# Altium PCB UltraZohm_ADC.PcbDoc (part 3 of 4)
Units mil, origin at the board's own origin, x right, y up, seen from the top; angles counter-clockwise.
Board outline 6141.69 x 3937.01 mil, 4 copper layers (Top Layer, GND, VCC, Bottom Layer), stack 30.634 mil thick; 408 components, 185 nets, 1136 pads, 511 vias.
Unrouted connection lines stored in the file: 7.
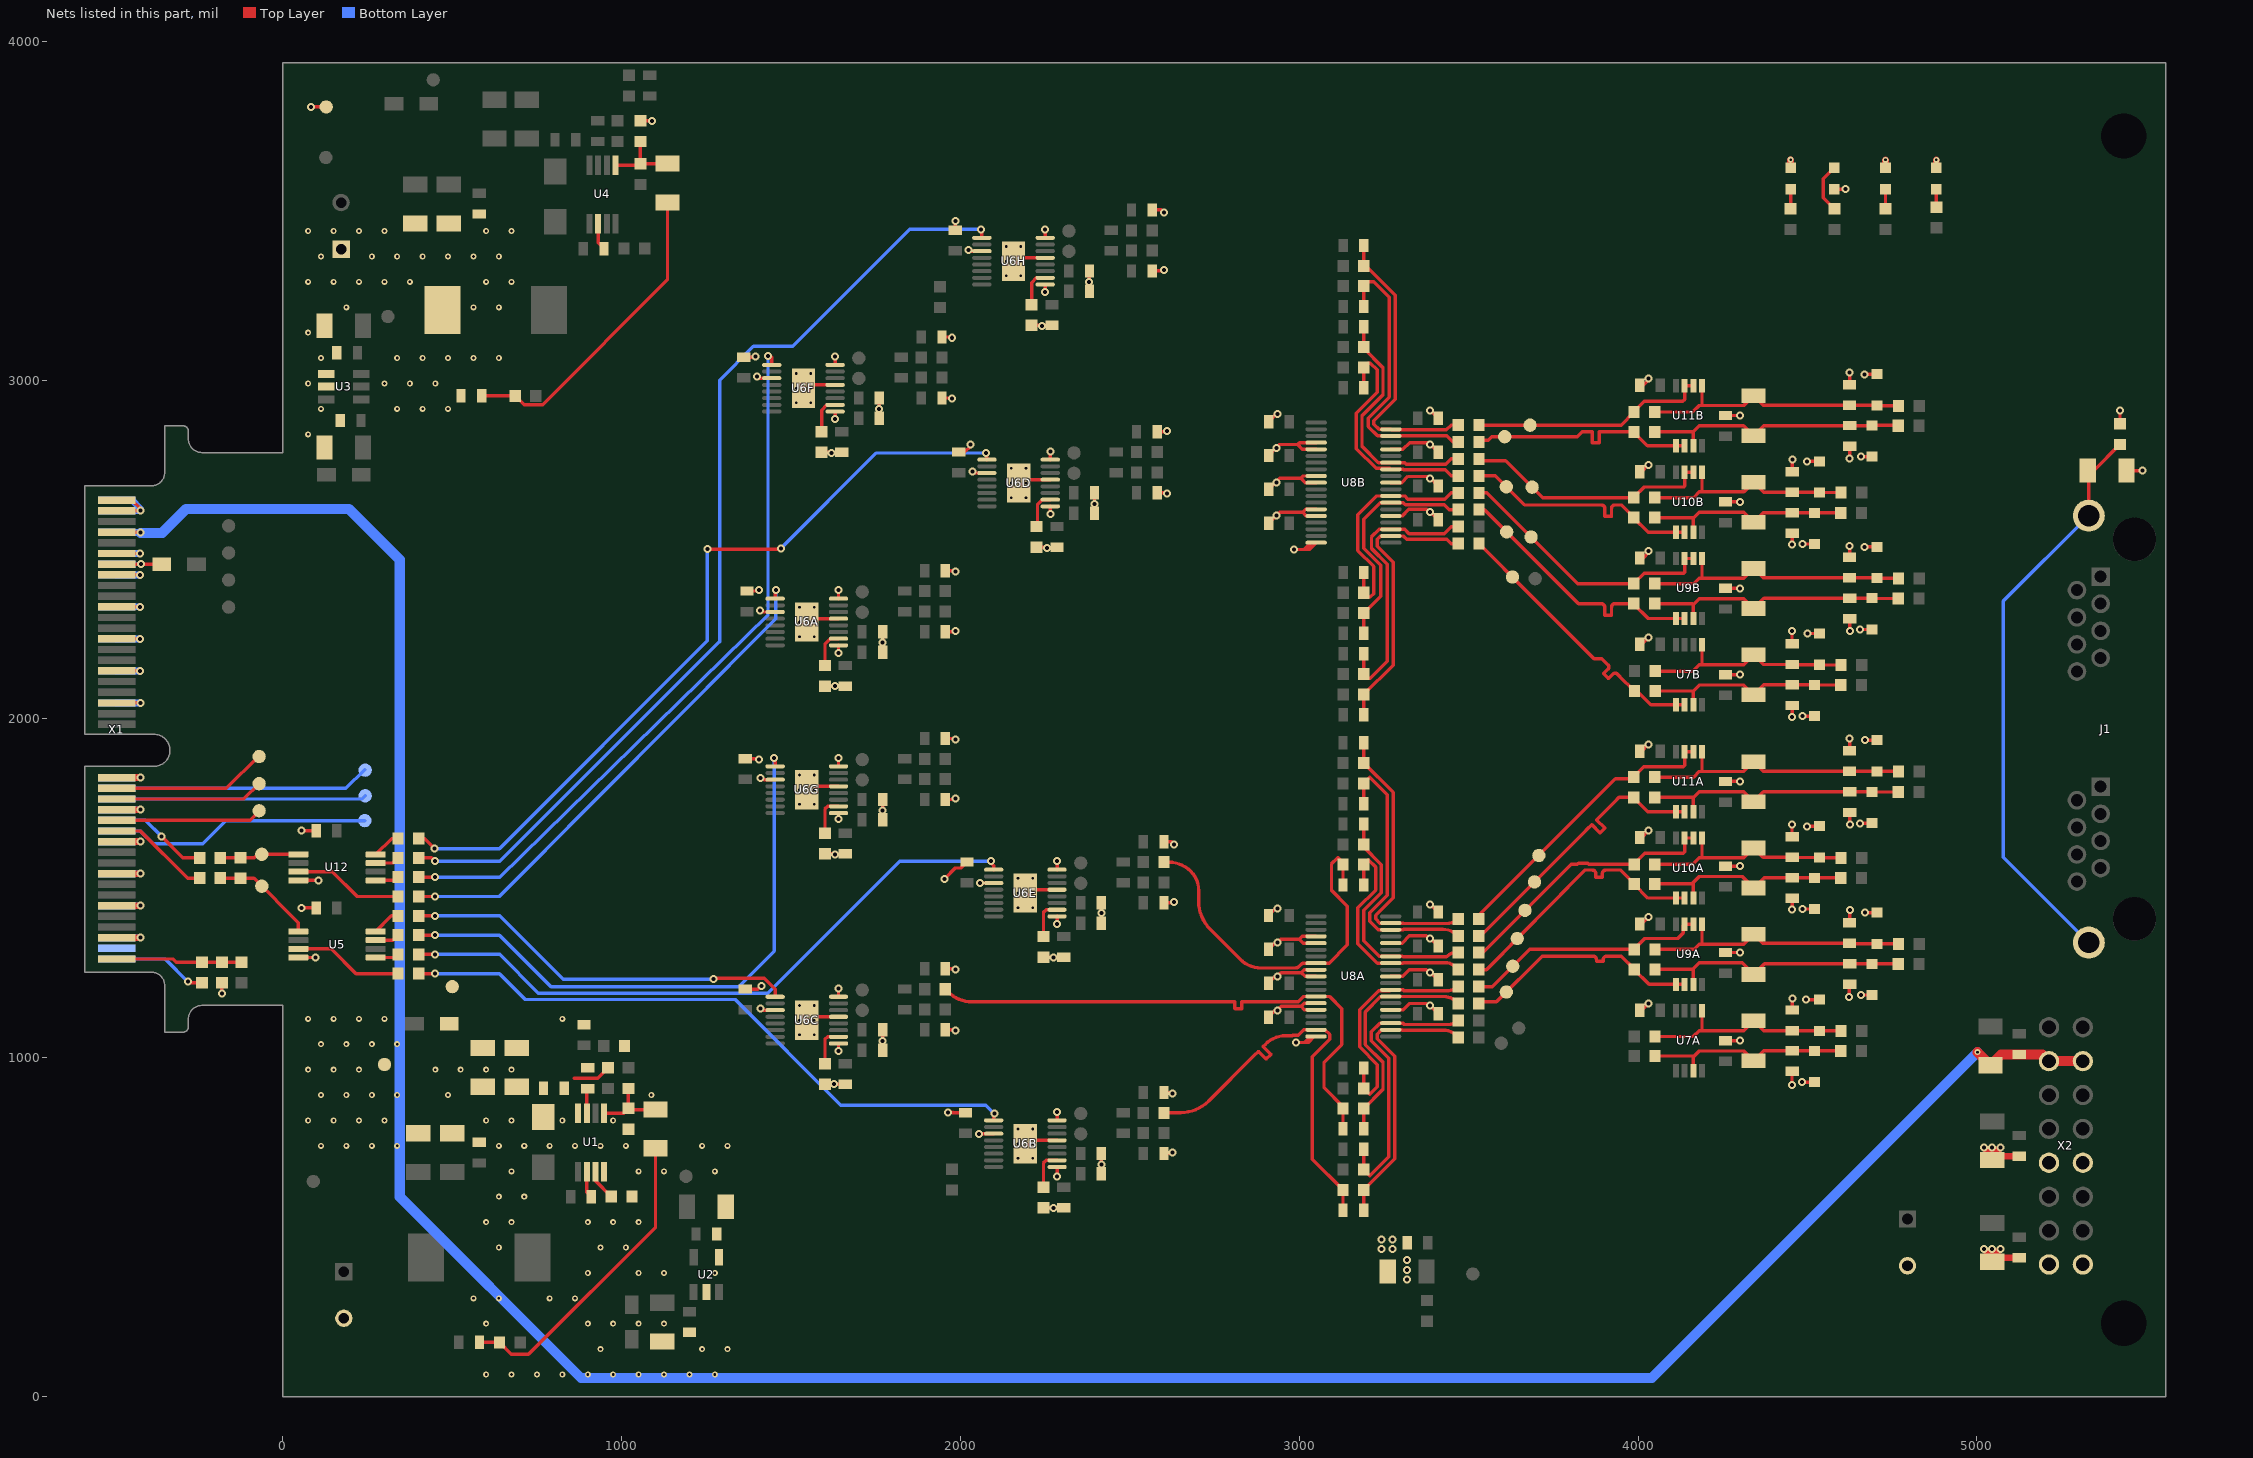
[diagram p5: the nets of this part, all layers, seen from the top]

## Via types
v1: diameter 23.62, hole 11.81, Top Layer to Bottom Layer, tented both sides, 333 vias
v2: diameter 17.72, hole 7.87, Top Layer to Bottom Layer, tented both sides, 127 vias
v3: diameter 19.68, hole 7.87, Top Layer to Bottom Layer, tented bottom, 48 vias
v4: diameter 23.62, hole 11.81, Top Layer to Bottom Layer, 3 vias

## Nets (pads, with @x,y where several pads share a name; then routed paths per layer and width w, separated by ;. In a path a pad name is that pad's centre, name@x,y a point inside that pad or via, vN(x,y) a via of type N, cw(c..) or ccw(c..) an arc to the next point about the centre after c; other vN are vias at no path point) (continued)
Buffer1B_P: R15B.2 R20B.1 TP24B.1 U7B.1 U7B.2 | length 867.1
  Top Layer w10: R20B.1@3530.51,2517.4 3674.96,2372.96 3869.76,2178.15 3893.12,2178.15 3910.8,2160.48 cw(c3903.73,2153.41) 3910.8,2146.33 3898.77,2134.3 ccw(c3899.48,2133.6) 3898.77,2132.89 3911.5,2120.16 ccw(c3912.2,2120.87) 3912.91,2120.16 3924.94,2132.19 cw(c3932.01,2125.12) 3939.08,2132.19 3955.18,2116.1 R15B.2@3977.94,2093.34 ; R15B.2@3976.96,2093.34 R15B.2@3977.94,2093.34 ; R15B.2@3988.99,2082.28 R15B.2@3977.94,2093.34 ; U7B.2@4137.2,2041.42 U7B.1@4111.61,2041.42 4037.79,2041.42 3985.87,2093.34 R15B.2@3977.94,2093.34
Buffer2A_N: R19A.2 R32A.2 TP27A.1 U9A.6 U9A.7 | length 721
  Top Layer w10: R32A.2@3530,1210 3570,1210 3680,1320 R19A.2@3988.49,1320 ; R19A.2@3988.49,1320.98 4019.5,1352 4117.15,1352 4133.35,1368.2 4133.35,1389.72 U9A.7@4137.2,1393.58 U9A.6@4162.8,1393.58
Buffer2A_P: R18A.2 R30A.1 TP26A.1 U9A.1 U9A.2 | length 721
  Top Layer w10: R30A.1@3530,1160 3535,1165 3582,1165 3717,1300 3842,1300 3867,1300 cw(c3867,1290) 3877,1290 3877,1286.24 ccw(c3878,1286.24) 3878,1285.24 3896,1285.24 ccw(c3896,1286.24) 3897,1286.24 3897,1290 cw(c3907,1290) 3907,1300 3928,1300 3950.47,1300 3988.49,1261.98 R18A.2@3988.49,1261 3988.49,1260.02 4032.09,1216.42 U9A.1@4111.61,1216.42 U9A.2@4137.2,1216.42
Buffer2B_N: R19B.2 R32B.2 TP27B.1 U9B.6 U9B.7 | length 798.9
  Top Layer w10: R32B.2@3530.51,2667.4 3553.6,2667.4 3822,2399 R19B.2@3987.49,2399 3987.49,2399.98 4017.53,2430.03 4134.52,2430.03 4137.2,2432.72 U9B.7@4137.2,2473.58 U9B.6@4162.8,2473.58
Buffer2B_P: R18B.2 R30B.1 TP26B.1 U9B.1 U9B.2 | length 798.9
  Top Layer w10: R30B.1@3530.51,2617.4 3546.51,2617.4 3823.91,2340 3866.39,2340 3891.39,2340 cw(c3891.39,2330) 3901.39,2330 3901.39,2306.96 ccw(c3902.39,2306.96) 3902.39,2305.96 3920.39,2305.96 ccw(c3920.39,2306.96) 3921.39,2306.96 3921.39,2330 cw(c3931.39,2330) 3931.39,2340 3948.3,2340 R18B.2@3987.49,2340 3987.49,2339.02 4030.09,2296.42 U9B.1@4111.61,2296.42 U9B.2@4137.2,2296.42
Buffer3A_N: R24A.2 R43A.2 TP29A.1 U10A.6 U10A.7 | length 801.4
  Top Layer w10: R43A.2@3530,1310 3541,1310 3802,1571 3820.63,1571 3823.96,1574.33 3850.8,1574.33 3854.13,1571 3858.97,1571 3859.31,1571.33 3864.62,1571.33 3864.62,1571.53 3873.06,1571.53 3873.59,1571 3895.65,1571 3896.18,1571.53 3904.62,1571.53 3904.62,1571.33 3909.93,1571.33 3910.27,1571 R24A.2@3988.08,1571 3988.08,1571.98 4020.03,1603.93 4133.42,1603.93 4137.2,1607.72 U10A.7@4137.2,1648.58 U10A.6@4162.8,1648.58
Buffer3A_P: R21A.2 R40A.1 TP28A.1 U10A.1 U10A.2 | length 798.7
  Top Layer w10: R40A.1@3530,1260 3552.38,1260 3842.38,1554 3864.62,1554 cw(c3864.62,1544) 3874.62,1544 3874.62,1533.67 ccw(c3875.62,1533.67) 3875.62,1532.67 3893.62,1532.67 ccw(c3893.62,1533.67) 3894.62,1533.67 3894.62,1544 cw(c3904.62,1544) 3904.62,1554 3939,1554 3948.3,1554 3988.08,1514.22 R21A.2@3988.08,1513.23 3988.08,1512.25 4028.91,1471.42 U10A.1@4111.61,1471.42 U10A.2@4137.2,1471.42
Buffer3B_N: R24B.2 R43B.2 TP29B.1 U10B.6 U10B.7 | length 735
  Top Layer w10: R43B.2@3530.51,2767.4 3535.51,2762.4 3608.6,2762.4 3718,2653 R24B.2@3987.49,2653 3987.49,2653.98 4018.06,2684.56 4134.05,2684.56 4137.2,2687.72 U10B.7@4137.2,2728.07 U10B.6@4162.8,2728.07
Buffer3B_P: R21B.2 R40B.1 TP28B.1 U10B.1 U10B.2 | length 735
  Top Layer w10: R40B.1@3530.51,2717.4 3552.24,2717.4 3552.82,2717.98 3577.98,2717.98 3664.46,2631.5 3866.46,2631.5 3891.46,2631.5 cw(c3891.46,2621.5) 3901.46,2621.5 3901.46,2598.93 ccw(c3902.46,2598.93) 3902.46,2597.93 3920.46,2597.93 ccw(c3920.46,2598.93) 3921.46,2598.93 3921.46,2621.5 cw(c3931.46,2621.5) 3931.46,2631.5 3947.54,2631.5 3949.99,2631.5 3974.77,2606.72 3975.76,2606.72 3987.49,2594.98 R21B.2@3987.49,2594 3987.49,2593.02 4029.6,2550.91 U10B.1@4111.61,2550.91 U10B.2@4137.2,2550.91
Buffer4A_N: R27A.2 R52A.2 TP31A.1 U11A.6 U11A.7 | length 867.9
  Top Layer w10: R52A.2@3530,1410 3530,1420.47 3933.03,1823.5 3982.37,1823.5 3986.87,1828 3986.87,1828.98 4016.95,1859.06 4133.55,1859.06 4137.2,1862.72 U11A.7@4137.2,1903.58 U11A.6@4162.8,1903.58
Buffer4A_P: R26A.2 R50A.1 TP30A.1 U11A.1 U11A.2 | length 861.8
  Top Layer w10: R50A.1@3530,1360 3535,1365 3540,1365 3841.91,1666.91 3848.98,1673.98 3862.42,1687.42 cw(c3863.13,1686.71) 3863.83,1687.42 3886.84,1664.41 ccw(c3887.54,1665.12) 3888.25,1664.41 3900.98,1677.14 ccw(c3900.27,1677.85) 3900.98,1678.56 3877.97,1701.56 cw(c3878.68,1702.27) 3877.97,1702.97 3930.94,1755.94 3943.49,1768.49 3986.87,1768.49 3986.87,1767.51 4027.96,1726.42 U11A.1@4111.61,1726.42 U11A.2@4137.2,1726.42
Buffer4B_N: R27B.2 R52B.2 TP31B.1 U11B.6 U11B.7 | length 705.8
  Top Layer w10: R52B.2@3530.51,2867.4 3530.89,2867.02 3949.56,2867.02 3987.55,2905.02 R27B.2@3987.55,2906 3987.55,2906.98 4017.86,2937.29 4131.78,2937.29 4137.2,2942.72 U11B.7@4137.2,2983.58 U11B.6@4162.8,2983.58
Buffer4B_P: R26B.2 R50B.1 TP30B.1 U11B.1 U11B.2 | length 699.5
  Top Layer w10: R50B.1@3530.51,2817.4 3535.51,2822.4 3557.4,2822.4 3568,2833 3820.74,2833 3835.02,2847.28 3845.02,2847.28 3864.02,2847.28 cw(c3864.02,2846.28) 3865.02,2846.28 3865.02,2815.98 ccw(c3866.02,2815.98) 3866.02,2814.98 3884.02,2814.98 ccw(c3884.02,2815.98) 3885.02,2815.98 3885.02,2846.28 cw(c3886.02,2846.28) 3886.02,2847.28 3959.38,2847.28 R26B.2@3987.55,2847.28 3987.55,2846.3 4027.43,2806.42 U11B.1@4111.61,2806.42 U11B.2@4137.2,2806.42
CVN_A: R3.1 R59.1 TP7.1 U5.1 | length 310.6
  Top Layer w10: R59.1@-184.49,1530 R3.1@-125,1529.49 -85,1529.49 45.83,1398.66 U5.1@45.83,1372.59
CVN_A1: R48.2 U6B.9 | length 1890.7
  Top Layer w10: R48.2@400.87,1248 v1(449,1248) ; U6B.9@2097.99,815.35 2097.99,832.99 v1(2100,835)
  Bottom Layer w10: v1(449,1248) 639.5,1248 715.5,1172 1335,1172 1647,860 2075,860 v1(2100,835)
CVN_A2: R53.2 U6C.9 | length 1166
  Top Layer w10: R53.2@400.87,1419 v1(449,1419) ; v1(1271,1232) 1273.24,1234.24 1421.03,1234.24 1452.99,1202.29 U6C.9@1452.99,1180
  Bottom Layer w10: v1(449,1419) 640,1419 827,1232 v1(1271,1232)
CVN_A3: R57.2 U6E.9 | length 1926.1
  Top Layer w10: R57.2@400.87,1305 v1(449,1305) ; v1(2090,1580) 2090,1575 2097.99,1567.01 U6E.9@2097.99,1555
  Bottom Layer w10: v1(449,1305) 640,1305 754.38,1190.62 1431.62,1190.62 1821,1580 v1(2090,1580)
CVN_A4: R60.2 U6G.9 | length 1751.8
  Top Layer w10: R60.2@400.87,1362 v1(449,1362) ; v1(1450,1885) 1452.99,1882.01 U6G.9@1452.99,1860
  Bottom Layer w10: v1(449,1362) 639.5,1362 791.5,1210 1345,1210 1450,1315 v1(1450,1885)
CVN_B: R3.2 R58.2 TP11.1 U12.1 | length 234.5
  Top Layer w10: R58.2@-184.49,1590 -125,1590.21 -84.79,1590.21 -74.61,1600.39 U12.1@45.83,1600.39
CVN_B1: R61.2 U6A.9 | length 1505.4
  Top Layer w10: R61.2@400.87,1476 v1(449,1476) ; U6A.9@1452.99,2355 1452.99,2377.99 v1(1455,2380)
  Bottom Layer w10: v1(449,1476) 640,1476 ; 639.5,1476.5 1455,2295 v1(1455,2380)
CVN_B2: R62.2 U6D.9 | length 2350
  Top Layer w10: R62.2@400.87,1647 418.62,1647 v1(448,1617) ; v1(1253,2501) 1468,2501 v1(1470,2503) ; v1(2075,2785) 2077.99,2782.01 U6D.9@2077.99,2765.2
  Bottom Layer w10: v1(448,1617) 639.5,1617 1253,2230.5 v1(1253,2501) ; v1(1470,2503) 1752,2785 v1(2075,2785)
CVN_B3: R63.2 U6F.9 | length 2145.2
  Top Layer w10: R63.2@400.87,1533 v1(449,1533) ; v1(1432,3071) 1439,3071 1442.99,3067.01 U6F.9@1442.99,3045
  Bottom Layer w10: v1(449,1533) 640,1533 1432,2307.07 v1(1432,3071)
CVN_B4: R64.2 U6H.9 | length 2914.3
  Top Layer w10: R64.2@400.87,1590 438.87,1590 v1(448.87,1580) ; v1(2060,3445) 2062.99,3442.01 U6H.9@2062.99,3420
  Bottom Layer w10: v1(448.87,1580) 640,1580 1288,2228 1289,2228 1289,3000 1389,3100 1505,3100 1850,3445 v1(2060,3445)
FB1A_N: C38A.1 R23A.1 R29A.1 U8A.3 | length 826.5
  Top Layer w10: C38A.1@3190,730 R29A.1@3190,670 3207.98,652.02 3264.28,708.32 3264.28,998 3212.73,1049.55 3212.73,1076.77 3238.16,1102.2 U8A.3@3269.72,1102.2 3306.22,1102.2 3310.24,1098.19 3440.46,1098.19 ccw(c3440.46,1138.51) R23A.1@3468.98,1110
FB1A_P: C34A.1 R17A.1 R20A.2 U8A.2 | length 830.5
  Top Layer w10: C34A.1@3190,550 R17A.1@3190,610 3281.28,701.28 3281.28,1005.04 3229.73,1056.6 3229.73,1069.73 3242.52,1082.52 U8A.2@3269.72,1082.52 3301.86,1082.52 3303.19,1081.19 3426.06,1081.19 cw(c3426.06,1028.72) 3463.15,1065.82 R20A.2@3468.98,1060
FB1B_N: C38B.1 R23B.1 R29B.1 U8B.3 | length 821.4
  Top Layer w10: C38B.1@3190.51,2192.4 R29B.1@3190.51,2132.4 3202.91,2120 3210,2120 3260,2170 3260,2455.96 3213,2502.96 3213,2537.04 3235.56,2559.61 U8B.3@3270.24,2559.61 3311.09,2559.61 3323.7,2547 3427.35,2547 3447.76,2567.4 R23B.1@3469.49,2567.4
FB1B_P: C34B.1 R17B.1 R20B.2 U8B.2 | length 825.8
  Top Layer w10: C34B.1@3190.51,2012.4 R17B.1@3190.51,2072.4 3277,2158.89 3277,2463 3230,2510 3230,2530 3239.92,2539.92 U8B.2@3270.24,2539.92 3306.73,2539.92 3316.65,2530 3435.16,2530 3447.76,2517.4 R20B.2@3469.49,2517.4
FB2A_N: C39A.1 R32A.1 R34A.1 U8A.8 | length 685.5
  Top Layer w10: C39A.1@3190,970 R34A.1@3190,910 3207.98,892.02 3230,914.04 3230,980 3178,1032 3178,1142.04 3233.9,1197.94 3267.04,1197.94 U8A.8@3269.72,1200.63 3306.22,1200.63 3308.66,1198.19 3440.46,1198.19 ccw(c3440.46,1238.51) R32A.1@3468.98,1210
FB2A_P: C36A.1 R25A.1 R30A.2 U8A.7 | length 689.6
  Top Layer w10: C36A.1@3190,790 R25A.1@3190,850 3247,907 3247,987.04 3195,1039.04 3195,1135 3240.94,1180.94 U8A.7@3269.72,1180.94 3426.3,1180.94 cw(c3426.3,1128.48) 3463.4,1165.58 R30A.2@3468.98,1160
FB2B_N: C39B.1 R32B.1 R34B.1 U8B.8 | length 683.7
  Top Layer w10: C39B.1@3190.51,2432.4 R34B.1@3190.51,2372.4 3190.51,2369.49 3200,2360 3210,2360 3220,2370 3220,2450 3173,2497 3173,2603 3228.03,2658.03 U8B.8@3270.24,2658.03 3311.09,2658.03 3320.31,2648.81 3429.17,2648.81 3447.76,2667.4 R32B.1@3469.49,2667.4
FB2B_P: C36B.1 R25B.1 R30B.2 U8B.7 | length 687
  Top Layer w10: C36B.1@3190.51,2252.4 R25B.1@3190.51,2312.4 3240,2361.89 3240,2454.04 3190,2504.04 3190,2590 3238.35,2638.35 U8B.7@3270.24,2638.35 3306.73,2638.35 3313.27,2631.81 3428.19,2631.81 3442.6,2617.4 R30B.2@3469.49,2617.4
FB3A_N: C44A.1 R43A.1 R49A.1 U8A.13 | length 689.7
  Top Layer w10: C44A.1@3190,1690 R49A.1@3190,1630 3190,1622 3242,1570 3242,1487 3190,1435 3190,1345 3235.94,1299.06 U8A.13@3269.72,1299.06 3304.32,1299.06 cw(c3304.32,1294.47) 3307.56,1297.71 3430,1297.71 ccw(c3430,1309.68) 3438.46,1301.22 cw(c3459.66,1280.01) 3459.66,1310 R43A.1@3468.98,1310
FB3A_P: C40A.1 R37A.1 R40A.2 U8A.12 | length 683.9
  Top Layer w10: C40A.1@3190,1510 R37A.1@3190,1570 3203.98,1583.98 3225,1562.96 3225,1495 3173,1443 3173,1337 3230.63,1279.37 U8A.12@3269.72,1279.37 3304.32,1279.37 ccw(c3304.32,1283.95) 3307.56,1280.71 3430,1280.71 cw(c3430,1236.62) 3461.18,1267.8 R40A.2@3468.98,1260
FB3B_N: C44B.1 R43B.1 R49B.1 U8B.13 | length 714.3
  Top Layer w10: C44B.1@3190.51,3157.4 R49B.1@3190.51,3097.4 3190.51,3093.53 3247,3037.04 3247,2957 3185,2895 3185,2805 3233.54,2756.46 U8B.13@3270.24,2756.46 3311.09,2756.46 3315.55,2752 3432.35,2752 3447.76,2767.4 R43B.1@3469.49,2767.4
FB3B_P: C40B.1 R37B.1 R40B.2 U8B.12 | length 705.6
  Top Layer w10: C40B.1@3190.51,2977.4 R37B.1@3190.51,3037.4 3203.11,3050 3210,3050 3230,3030 3230,2964.04 3168,2902.04 3168,2797.96 3226.5,2739.46 3267.55,2739.46 U8B.12@3270.24,2736.77 3306.73,2736.77 3308.5,2735 3430.16,2735 3447.76,2717.4 R40B.2@3469.49,2717.4
FB4A_N: C45A.1 R52A.1 R54A.1 U8A.18 | length 830.8
  Top Layer w10: C45A.1@3190,1930 R54A.1@3190,1870 3277,1783 3277,1472 3225,1420 3225,1410 3237.52,1397.48 U8A.18@3269.72,1397.48 3304.32,1397.48 cw(c3304.32,1392.9) 3307.56,1396.14 3435.51,1396.14 ccw(c3435.51,1443.47) R52A.1@3468.98,1410
FB4A_P: C42A.1 R45A.1 R50A.2 U8A.17 | length 830.4
  Top Layer w10: C42A.1@3190,1750 R45A.1@3190,1810 3207.98,1827.98 3260,1775.96 3260,1480 3208,1428 3208,1402.96 3233.16,1377.8 U8A.17@3269.72,1377.8 3304.32,1377.8 ccw(c3304.32,1382.38) 3307.56,1379.14 3422.77,1379.14 cw(c3422.77,1313.8) R50A.2@3468.98,1360
FB4B_N: C45B.1 R52B.1 R54B.1 U8B.18 | length 857.7
  Top Layer w10: C45B.1@3190.51,3397.4 R54B.1@3190.51,3337.4 3196.64,3337.4 3282.96,3251.08 3282.96,2942.96 3220,2880 3220,2870 3235.12,2854.88 U8B.18@3270.24,2854.88 3271.93,2853.19 3433.54,2853.19 3447.76,2867.4 R52B.1@3469.49,2867.4
FB4B_P: C42B.1 R45B.1 R50B.2 U8B.17 | length 852.2
  Top Layer w10: C42B.1@3190.51,3217.4 R45B.1@3190.51,3277.4 3203.11,3290 3220,3290 3265.96,3244.04 3265.96,2950 3203,2887.04 3203,2862.96 3230.76,2835.2 U8B.17@3270.24,2835.2 3434.8,2835.2 3452.6,2817.4 R50B.2@3469.49,2817.4
FB_Neg: C72.2 R41.2 R46.1 U4.5 | length 221.4
  Top Layer w10: U4.5@981.59,3634.4 1051.3,3634.4 R46.1@1055.2,3638.29 ; R41.2@1055.2,3704.27 R46.1@1055.2,3638.29 ; C72.2@1135.2,3638.87 1134.62,3638.29 R46.1@1055.2,3638.29
GND: C3.1 C4.1 C5.2 C7.1 C8.1 C9.1 C10.2 C11.1 C12.2 C13.2 C14.1 C15.1 C16.2 C17.2 C18.1 C19.2 C20.2 C21.1 C22.1 C23A.2 C23B.2 C24.2 C25.2 C26.1 C27A.2 C27B.2 C27C.2 C27D.2 C27E.2 C27F.2 C27G.2 C27H.2 C28A.2 C28B.2 C28C.2 C28D.2 C28E.2 C28F.2 C28G.2 C28H.2 C29A.2 C29B.2 C29C.2 C29D.2 C29E.2 C29F.2 C29G.2 C29H.2 C30A.2 C30B.2 C30C.2 C30D.2 C30E.2 C30F.2 C30G.2 C30H.2 C31A.1 C31B.1 C31C.1 C31D.1 C31E.1 C31F.1 C31G.1 C31H.1 C33A.2 C33B.2 C33C.2 C33D.2 C33E.2 C33F.2 C33G.2 C33H.2 C35.1 C37.1 C41.1 C43.1 C46A.2 C46B.2 C47A.2 C47B.2 C48A.2 C48B.2 C49A.2 C49B.2 C50A.2 C50B.2 C51A.2 C51B.2 C52A.2 C52B.2 C53A.2 C53B.2 C54A.2 C54B.2 C55A.2 C55B.2 C56A.2 C56B.2 C57A.2 C57B.2 C59.1 C60A.1 C60B.1 C61A.1 C61B.1 C62A.1 C62B.1 C63A.1 C63B.1 C64.1 C68.2 C69.2 C70.2 C71.1 C75A.2 C75B.2 C76A.2 C76B.2 C77A.2 C77B.2 C78A.2 C78B.2 C79A.2 C79B.2 C80A.2 C80B.2 C81A.2 C81B.2 C82.2 C83.2 D1.2 D2.1 D3.1 D4.1 D6A.2 D6B.2 D7A.2 D7B.2 D8A.2 D8B.2 D9A.2 D9B.2 D10A.2 D10B.2 D11A.2 D11B.2 D12A.2 D12B.2 D13A.2 D13B.2 D14.2 L6.2 R6.1 R10.1 R11.1 R14A.1 R14B.1 R14C.1 R14D.1 R14E.1 R14F.1 R14G.1 R14H.1 R35.1 R36.1 R41.1 TP14.1 TP18.1 U1.4 U2.2 U2.4 U3.1 U3.2 U5.4 U6A.1 U6A.5 U6A.8 U6A.11 U6A.17 U6B.1 U6B.5 U6B.8 U6B.11 U6B.17 U6C.1 U6C.5 U6C.8 U6C.11 U6C.17 U6D.1 U6D.5 U6D.8 U6D.11 U6D.17 U6E.1 U6E.5 U6E.8 U6E.11 U6E.17 U6F.1 U6F.5 U6F.8 U6F.11 U6F.17 U6G.1 U6G.5 U6G.8 U6G.11 U6G.17 U6H.1 U6H.5 U6H.8 U6H.11 U6H.17 U8A.5 U8A.10 U8A.15 U8A.23 U8A.24 U8A.28 U8A.29 U8A.33 U8A.34 U8A.38 U8B.5 U8B.10 U8B.15 U8B.23 U8B.24 U8B.28 U8B.29 U8B.33 U8B.34 U8B.38 U12.4 X1.1 X1.2 X1.3 X1.4 X1.7 X1.8 X1.11 X1.12 X1.15 X1.16 X1.21 X1.22 X1.27 X1.28 X1.33 X1.34 X1.39 X1.40 X1.45 X1.46 X1.51 X1.52 X1.57 X1.58 X1.63 X1.64 X1.69 X1.70 X1.75 X1.76 X2.2 X2.5 X2.8 X2.10 X2.13 X2.16 | length 18947.5
  Top Layer w10: X1.39@-490,2047.24 v1(-420,2047.24) ; X1.33@-490,2141.73 v1(-421,2141.73) ; X1.27@-490,2236.22 v1(-422,2236.22) ; X1.21@-490,2330.71 v1@-421,2330.69 ; X1.15@-490,2425.2 v1(-422,2425.2) ; X1.11@-490,2488.19 v1(-422,2488.19) ; X1.7@-490,2551.18 -421.18,2551.18 v1(-420,2550) ; X1.3@-490,2614.11 -420.89,2614.11 v1(-420,2615) -420,2619.96 -445.71,2645.67 X1.1@-490,2645.67 ; v1@-420.1,1637.9 v1(-420,1638) ; v1(-180,1190) R6.1@-180,1221.06 ; U5.4@45.83,1295.82 v1(97,1295.82) ; U12.4@45.83,1523.61 v1(105,1523.61) ; v1(55,1442.49) 98,1442.49 C82.2@98.49,1442 ; v1(55,1670) C83.2@98.31,1670 ; v1(83.01,3806.21) TP18.1@127.91,3806.21 ; R41.1@1055.2,3765.29 v1(1089,3765.29) ; C29F.2@1360,3067.72 1392.72,3067.72 v1(1395,3070) ; C29C.2@1365,1202.72 1402.28,1202.72 v1(1412,1212.43) ; C29G.2@1365,1882.72 1402.28,1882.72 v1(1405,1880) ; C29A.2@1370,2377.72 1402.72,2377.72 v1(1405,2380) ; v1(1400,3010) 1404.37,3005.63 U6F.11@1442.99,3005.63 ; v1(1409,2320) 1410,2320 1414.37,2315.63 U6A.11@1452.99,2315.63 ; v1(1410,1145) 1415,1140 1415.63,1140.63 U6C.11@1452.99,1140.63 ; v1(1410,1825) 1414.5,1825 1415.13,1825.63 1420.13,1820.63 U6G.11@1452.99,1820.63 ; U6F.17@1536.5,2976.1 1546.34,2985.94 U6F.5@1630,2985.94 ; U6C.17@1546.5,1111.1 1556.34,1120.94 U6C.5@1640,1120.94 ; U6G.17@1546.5,1791.1 1556.34,1800.94 U6G.5@1640,1800.94 ; U6A.17@1546.5,2286.1 1556.34,2295.94 U6A.5@1640,2295.94 ; R14F.1@1590,2786.69 1618.31,2786.69 v1(1620,2785) 1648.31,2785 C30F.2@1650,2786.69 ; R14C.1@1600,921.69 1626.69,921.69 v1(1627,922) 1659.69,922 C30C.2@1660,921.69 ; R14G.1@1600,1601.69 1628.31,1601.69 v1(1630,1600) 1658.31,1600 C30G.2@1660,1601.69 ; R14A.1@1600,2096.69 v1(1630,2096.69) C30A.2@1660,2096.69 ; v1(1630,2885) U6F.1@1630,2907.2 ; U6F.8@1630,3045 v1(1630,3070) ; v1(1640,1020) U6C.1@1640,1042.2 ; U6C.8@1640,1180 v1(1640,1205) ; v1(1640,1705) U6G.1@1640,1722.2 ; U6G.8@1640,1860 v1(1640,1885) ; v1(1640,2195) U6A.1@1640,2217.2 ; U6A.8@1640,2355 v1(1640,2380) ; C28F.2@1760.51,2887.2 1760,2887.72 v1(1760,2915) 1760.51,2915.51 C27F.2@1760.51,2947.2 ; v1(1770,2225) v1@1770,2230 ; C28C.2@1770.51,1022.2 1770,1022.72 v1(1770,1050) 1770.51,1050.51 C27C.2@1770.51,1082.2 ; C28G.2@1770.51,1702.2 1770.51,1729.49 v1(1770,1730) 1770,1761.69 C27G.2@1770.51,1762.2 ; C28A.2@1770.51,2197.2 1770.51,2229.49 v1@1770,2230 ; C27A.2@1770.51,2257.2 1770,2256.69 v1@1770,2230 ; C31F.1@1945.51,2947.2 1972.8,2947.2 v1(1975,2945) ; C33F.2@1945.51,3127.2 1972.8,3127.2 v1(1975,3125) ; v1(1953.2,1528.19) 1985.01,1560 2001.28,1560 C29E.2@2019,1577.72 ; C31C.1@1955.51,1082.2 1982.8,1082.2 v1(1985,1080) ; C33C.2@1955.51,1262.2 1982.8,1262.2 v1(1985,1260) ; C31G.1@1955.51,1762.2 1982.2,1762.2 v1(1985,1765) ; C33G.2@1955.51,1942.2 1982.8,1942.2 v1(1985,1940) ; C31A.1@1955.51,2257.2 1982.2,2257.2 v1(1985,2260) ; C33A.2@1955.51,2437.2 1982.8,2437.2 v1(1985,2435) ; v1(1963.2,838.19) 1965.01,840 1975,840 1976.93,838.07 C29B.2@2015,838.07 ; C29H.2@1985,3442.72 v1(1985,3470) ; C29D.2@1995,2787.91 2012.91,2787.91 2030,2805 v1(2030,2810) ; v1(2024.25,3384.25) 2027.87,3380.63 U6H.11@2062.99,3380.63 ; v1(2035,2730) 2039.17,2725.83 U6D.11@2077.99,2725.83 ; v1(2055,775) 2060,775 cw(c2062.38,772.62) 2062.38,775.98 U6B.11@2097.99,775.98 ; v1(2058,1516) 2058.37,1515.63 U6E.11@2097.99,1515.63 ; U6H.17@2156.5,3351.1 2166.34,3360.94 U6H.5@2250,3360.94 ; U6D.17@2171.5,2696.3 2181.34,2706.14 U6D.5@2265,2706.14 ; U6B.17@2191.5,746.46 2201.34,756.3 U6B.5@2285,756.3 ; U6E.17@2191.5,1486.1 2201.34,1495.94 U6E.5@2285,1495.94 ; R14H.1@2210,3161.69 2238.31,3161.69 v1(2240,3160) 2241.69,3161.69 C30H.2@2270,3161.69 ; R14D.1@2225,2506.89 2253.11,2506.89 v1(2255,2505) 2283.11,2505 C30D.2@2285,2506.89 ; R14B.1@2245,557.05 v1(2274,557) v1(2274,557) C30B.2@2305,557.05 C30B.2@2305,557.05 ; R14E.1@2245,1296.69 2274.31,1296.69 v1(2275,1296) 2304.31,1296 C30E.2@2305,1296.69 ; v1(2250,3260) U6H.1@2250,3282.2 ; U6H.8@2250,3420 v1(2250,3445) ; v1(2265,2605) U6D.1@2265,2627.4 ; U6D.8@2265,2765.2 v1(2265,2790) ; v1(2285,650) U6B.1@2285,677.56 ; U6B.8@2285,815.35 v1(2285,840) ; v1(2285,1395) U6E.1@2285,1417.2 ; U6E.8@2285,1555 v1(2285,1580) ; C28H.2@2380.51,3262.2 2380,3262.72 v1(2380,3290) 2380.51,3290.51 C27H.2@2380.51,3322.2 ; C28D.2@2395.51,2607.4 2395,2607.91 v1(2395,2635) 2395.51,2635.51 C27D.2@2395.51,2667.4 ; v1(2415.51,685) C27B.2@2415.51,717.56 ; C28E.2@2415.51,1397.2 2415.51,1426.51 v1(2416,1427) 2416,1456.72 C27E.2@2415.51,1457.2 ; C31H.1@2565.51,3322.2 2597.2,3322.2 v1(2600,3325) ; C33H.2@2565.51,3502.2 2592.8,3502.2 v1(2600,3495) ; C31D.1@2580.51,2667.4 2607.6,2667.4 v1(2610,2665) ; C33D.2@2580.51,2847.4 2607.4,2847.4 v1(2610,2850) ; C31B.1@2600.51,717.56 2622.56,717.56 v1(2625,720) ; C33B.2@2600.51,897.56 2622.44,897.56 v1(2625,895) ; C31E.1@2600.51,1457.2 2627.2,1457.2 v1(2630,1460) ; C33E.2@2600.51,1637.2 2622.8,1637.2 v1(2630,1630) ; C53A.2@2908.98,1120 2928.98,1140 v1(2935,1140) 2946.5,1151.5 3005.13,1151.5 ; C52A.2@2908.98,1220 2928.98,1240 v1(2935,1240) 2945.92,1250.92 3006.12,1250.92 ; C51A.2@2908.98,1320 2928.98,1340 v1(2935,1340) 2945,1350 3000,1350 ; C50A.2@2908.98,1420 2928.98,1440 v1(2935,1440) ; C53B.2@2909.49,2577.4 v1(2932.09,2600) 2942.09,2610 3010,2610 ; C52B.2@2909.49,2677.4 v1@2930,2697.91 ; C51B.2@2909.49,2777.4 v1(2932.09,2800) 2942.09,2810 2995,2810 ; C50B.2@2909.49,2877.4 2932.09,2900 v1(2935,2900) ; v1(2932.09,2697.91) v1@2930,2697.91 ; v1(2985,2500) 3015,2500 ; v1(2990,1045) 3019.57,1045 ; U8B.38@3035,2520 3015,2500 ; U8A.38@3044.25,1062.83 3026.42,1045 3019.57,1045 ; U8A.38@3049.25,1062.83 3032.44,1062.83 3017.46,1047.85 3022.43,1047.85 3019.57,1045 ; U8A.34@3049.25,1141.57 3015.05,1141.57 3005.13,1151.5 ; U8A.33@3049.25,1161.26 3014.88,1161.26 3005.13,1151.5 ; U8A.29@3049.25,1240 3017.05,1240 3006.12,1250.92 ; U8A.28@3049.25,1259.68 3014.88,1259.68 3006.12,1250.92 ; U8A.24@3049.25,1338.43 3011.57,1338.43 3000,1350 ; U8A.23@3049.25,1358.11 3008.11,1358.11 3000,1350 ; U8B.38@3049.76,2520.24 3029.53,2500 3015,2500 ; U8B.34@3049.76,2598.98 3021.02,2598.98 3010,2610 ; U8B.33@3049.76,2618.66 3018.66,2618.66 3010,2610 ; U8B.29@3049.76,2697.4 3017.6,2697.4 3005,2710 ; U8B.28@3049.76,2717.09 3012.09,2717.09 3005,2710 ; U8B.24@3049.76,2795.83 3009.17,2795.83 2995,2810 ; U8B.23@3049.76,2815.51 3000.51,2815.51 2995,2810 ; U8A.5@3269.72,1141.57 3306.57,1141.57 3325,1160 3375,1160 3385,1150 3390,1150 C49A.2@3410,1130 ; U8A.10@3269.72,1240 3305,1240 3325,1260 3375,1260 3385,1250 3390,1250 C48A.2@3410,1230 ; U8A.15@3269.72,1338.43 3303.43,1338.43 3325,1360 3375,1360 3385,1350 3390,1350 C47A.2@3410,1330 ; U8B.5@3270.24,2598.98 3303.98,2598.98 3323.31,2618.31 3376.69,2618.31 v1(3385,2610) 3387.91,2610 C49B.2@3410.51,2587.4 ; U8B.10@3270.24,2697.4 3302.4,2697.4 3320.59,2715.59 3379.41,2715.59 v1(3385,2710) 3385,2712.91 C48B.2@3410.51,2687.4 ; U8B.15@3270.24,2795.83 3305.83,2795.83 3325.59,2815.59 3379.41,2815.59 v1(3385,2810) 3387.91,2810 C47B.2@3410.51,2787.4 ; v1@3385,1450 3390,1450 C46A.2@3410,1430 ; v1(3385,2910) 3387.91,2910 C46B.2@3410.51,2887.4 ; C54A.2@4004.49,1140 4010,1140 v1(4030,1160) ; C55A.2@4004.49,1395 4010,1395 v1(4030,1415) ; C56A.2@4004.49,1650 4010,1650 v1(4030,1670) ; C57A.2@4004.49,1905 4010,1905 v1(4030,1925) ; C54B.2@4004.49,2220 4010,2220 v1(4030,2240) ; C55B.2@4004.49,2475 4015,2475 4030,2490 v1(4030,2495) ; C56B.2@4004.49,2730 4010,2730 v1(4030,2750) ; C57B.2@4004.49,2985 4015,2985 4030,3000 v1(4030,3005) ; C60A.1@4258,1050.51 v1(4301,1050.51) ; C61A.1@4258,1310.51 4300.49,1310.51 v1(4301,1310) ; C62A.1@4258,1565.51 v1(4301,1565.51) ; C63A.1@4258,1815.51 v1(4301,1815.51) ; C60B.1@4258,2130.51 v1(4301,2130.51) ; C61B.1@4258,2385.51 4300.49,2385.51 v1(4301,2385) ; C62B.1@4258,2640.51 v1(4301,2640.51) ; C63B.1@4258,2895.51 v1(4301,2895.51) ; v1(4454,919) 4454,959.26 C23A.2@4454.51,959.77 ; v1(4454,1689) 4454,1653.76 C79A.2@4455,1652.76 ; v1(4454,2260) 4454,2222.8 C75B.2@4455,2221.8 ; v1(4454.51,1437.49) C78A.2@4454.51,1470.61 ; v1(4454.51,2005.51) C23B.2@4454.51,2039.71 ; v1(4454.51,2514.51) C78B.2@4454.51,2547.77 ; C75A.2@4455,1140.8 v1(4455,1175) ; C79B.2@4455,2729.8 v1(4455,2766) ; v1(4484,928) 4520.02,928 D6A.2@4520.17,928.16 ; v1(4484.78,2516.22) D10B.2@4520.17,2516.22 ; v1(4485.06,1439.06) D10A.2@4520.17,1439.06 ; v1(4485.16,2008.16) D6B.2@4520.17,2008.16 ; v1(4495.65,1171.35) D7A.2@4535,1171.35 ; v1(4498,1683) 4534.69,1683 D11A.2@4535,1683.31 ; v1(4498,2760) 4534.65,2760 D11B.2@4535,2760.35 ; v1(4500,2252) D7B.2@4535,2252.04 D7B.2@4535,2252.04 ; D14.2@4579,3563.5 v1(4612,3563.5) ; v1(4623,1180) 4623,1215.26 C76A.2@4624.51,1216.77 ; C77A.2@4624,1398.51 4624.51,1399.02 v1(4624.51,1436) ; C81A.2@4624,1906.51 v1(4624,1942) ; C77B.2@4624,2477.51 v1(4624,2511) ; v1(4624,2769) 4624,2804.26 C80B.2@4624.51,2804.77 ; C81B.2@4624,2986.51 v1(4624,3022) ; v1(4624.51,1688.18) C80A.2@4624.51,1723.77 ; v1(4624.51,2259.51) C76B.2@4624.51,2295.28 ; v1(4655,1692) 4689.95,1692 D12A.2@4690.17,1692.22 ; v1(4655,2264) 4689.95,2264 D8B.2@4690.17,2264.22 ; v1(4657.22,1185.22) D8A.2@4690.17,1185.22 ; v1(4657.22,2774.22) D12B.2@4690.17,2774.22 ; v1(4668,2508) 4704.84,2508 D9B.2@4705,2508.16 ; v1(4668,3017) 4704.65,3017 D13B.2@4705,3017.35 ; v1(4669.35,1428.35) D9A.2@4705,1428.35 ; v1(4669.63,1937.28) D13A.2@4705,1937.28 ; R35.1@5422,2871 v1(5422,2910) ; C64.1@5441.09,2733 v1(5488,2733) ; v1@2930,2697.91 2942.09,2710 3005,2710